# Altium PCB 243-5xx_Pi-CAN-PWM.PcbDoc
Units mm, origin at the board's own origin, x right, y up, seen from the top; angles counter-clockwise.
Board outline 65.2 x 30.4 mm, 2 copper layers (Top Layer, Bottom Layer), stack 1.569 mm thick; 39 components, 39 nets, 184 pads, 61 vias.
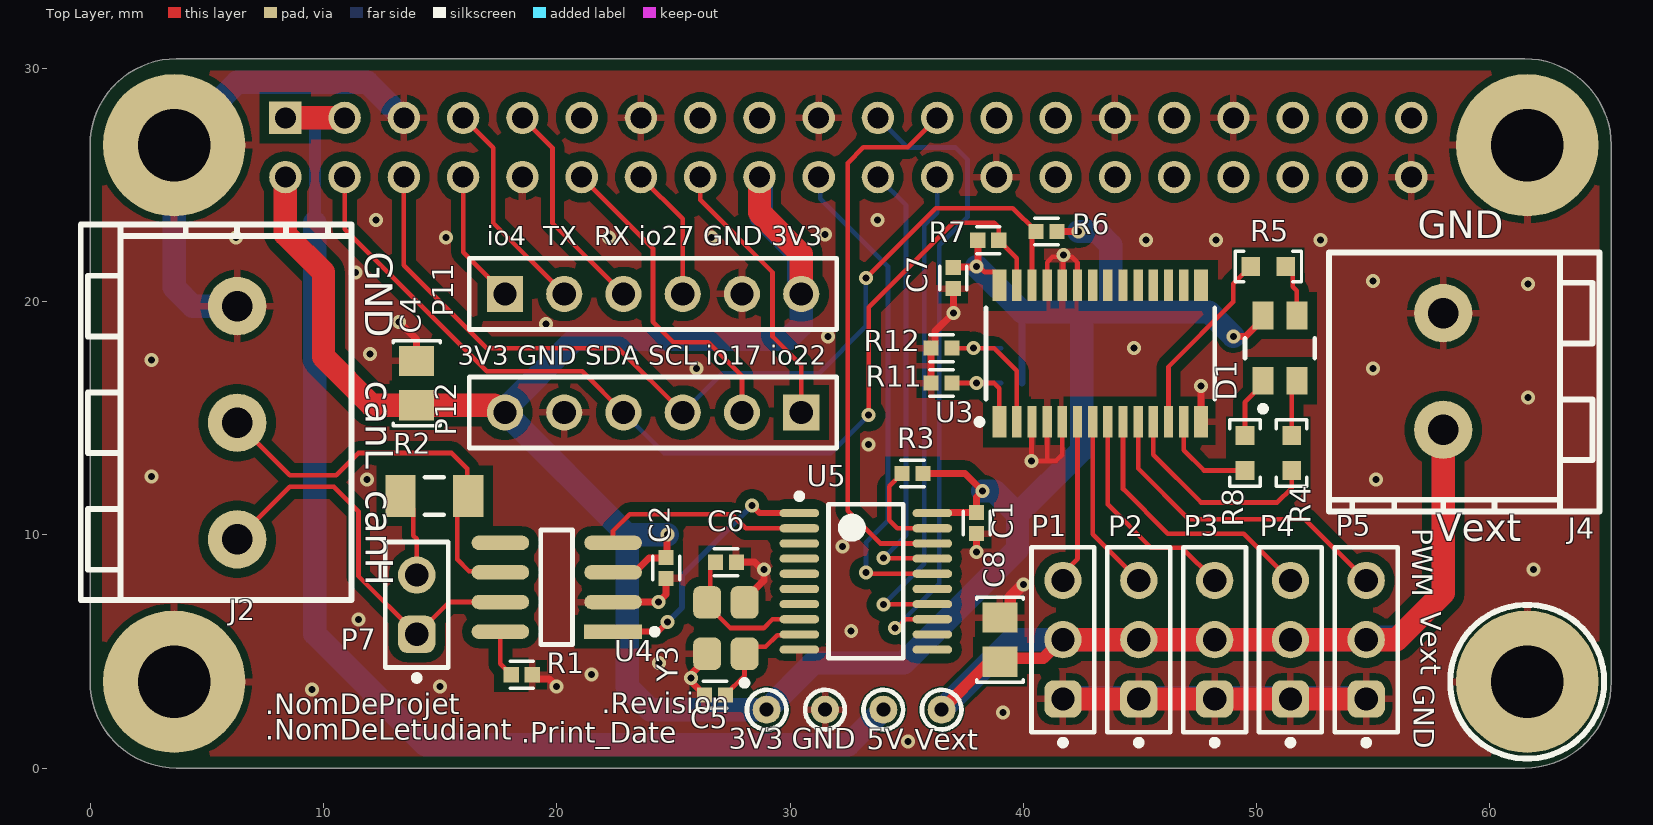
[diagram p0: Top Layer view]
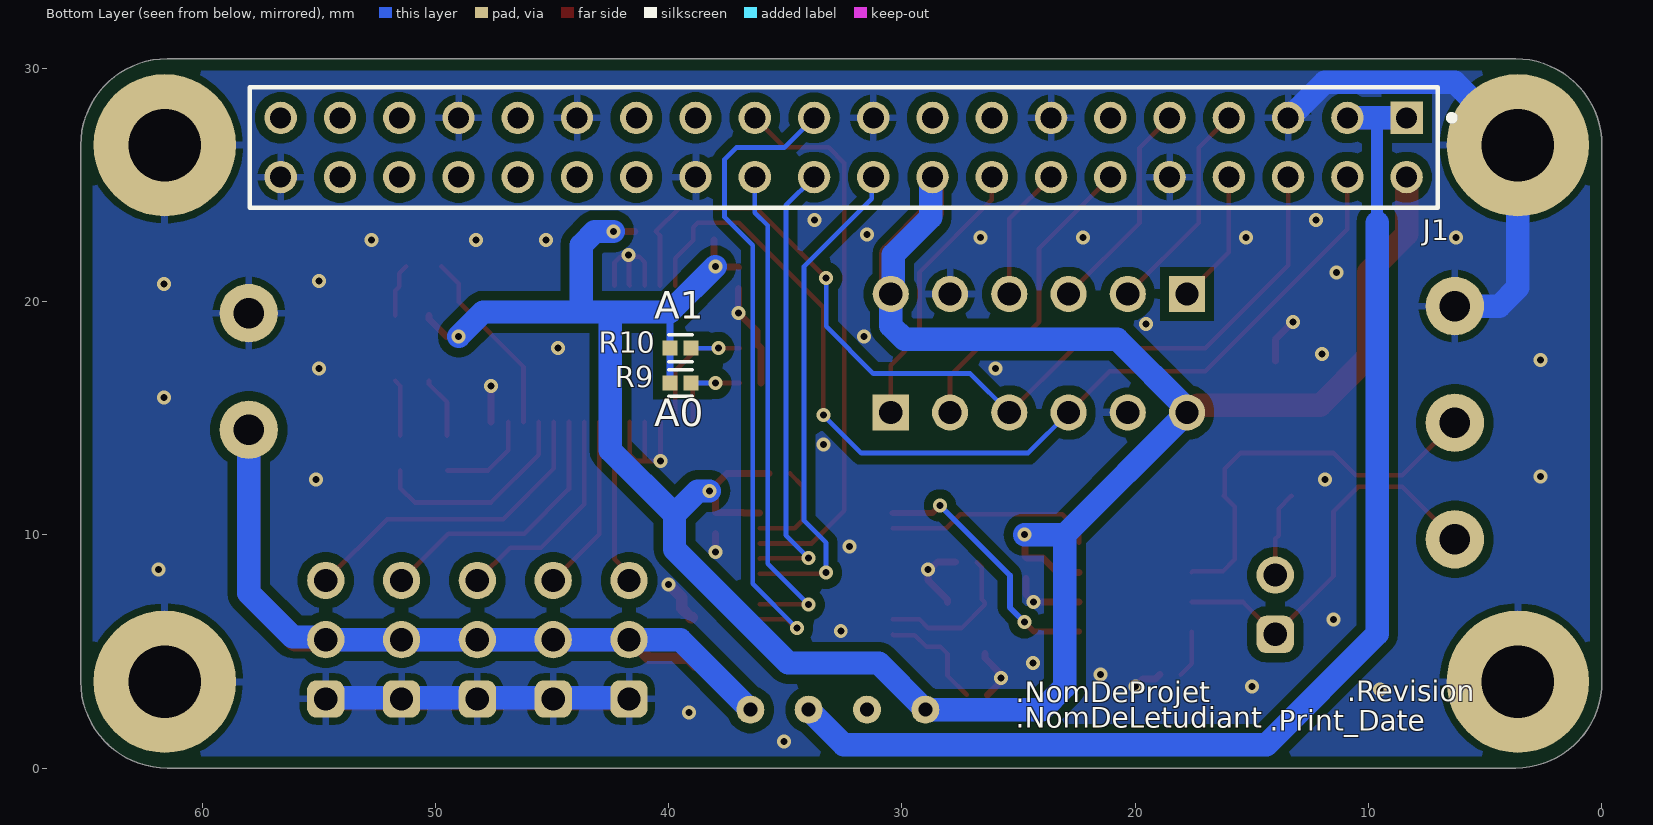
[diagram p1: Bottom Layer view, seen from below]
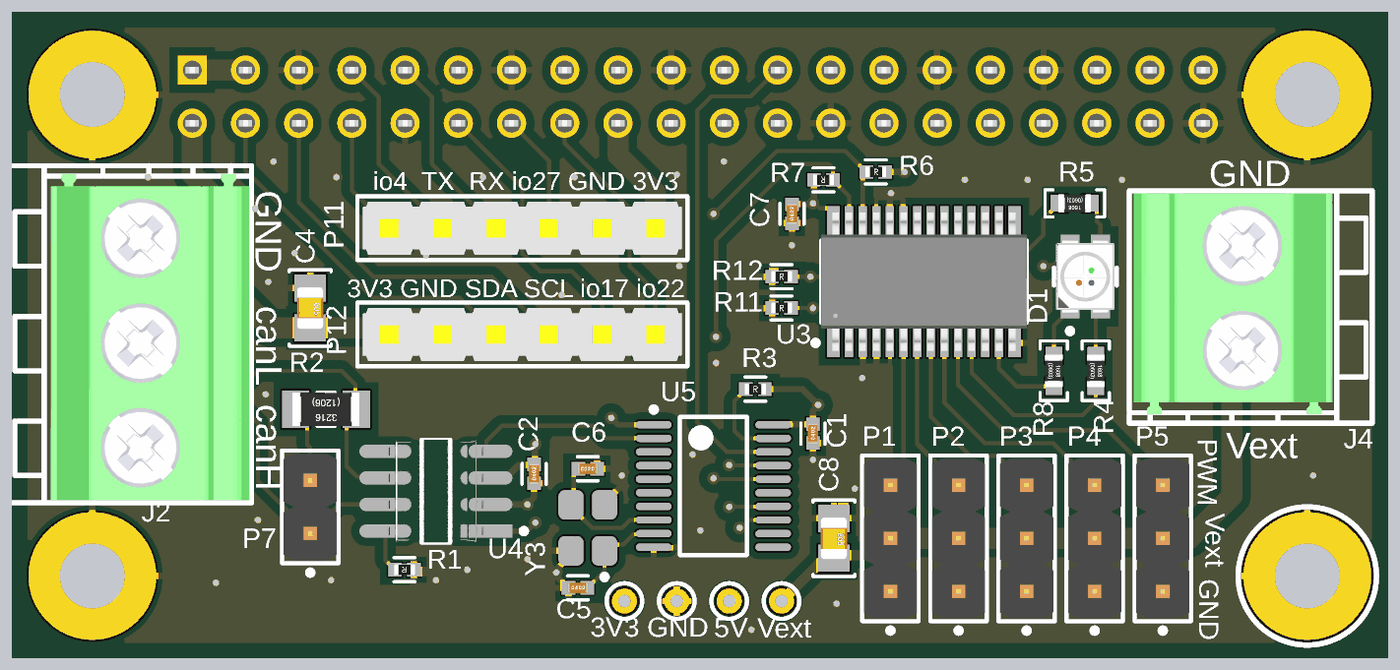
[diagram p2: 3D render of the assembled board from above, using the file's embedded part models]
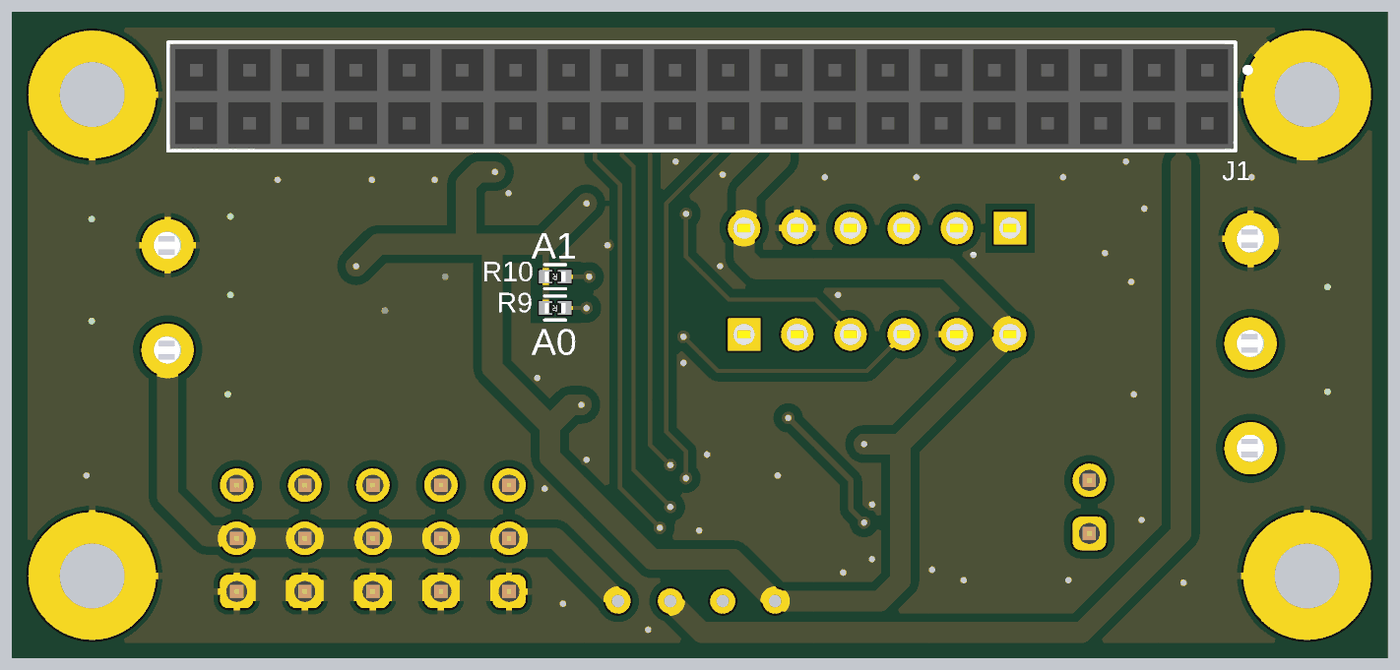
[diagram p3: 3D render of the assembled board from below, using the file's embedded part models]

## Layer stack, top to bottom
Top Solder: solder mask 0.0254, SM-001, Dk 4
Top Layer: signal copper 0.035
Dielectric 1: core 1.4986, Core-043, Dk 4.3
Bottom Layer: signal copper 0.035
Bottom Solder: solder mask 0.0254, SM-001, Dk 4

## Board outline
3.7,0 cw(c3.7,3.7) 0,3.7 0,26.7 cw(c3.7,26.7) 3.7,30.4 61.5,30.4 cw(c61.5,26.7) 65.2,26.7 65.2,3.7 cw(c61.5,3.7) 61.5,0

## Design rules (kind name [scope] priority, off if disabled: settings)
BoardOutlineClearance BoardOutlineClearance_SilkscreenTop [OnLayer('Top Overlay')] p1: gap=0 ignorepadtopadclearanceinfootprint=FALSE
BoardOutlineClearance BoardOutlineClearance_SilkscreenBottom [OnLayer('Bottom Overlay')] p2: gap=0.2 ignorepadtopadclearanceinfootprint=FALSE
BoardOutlineClearance [All] p3: gap=0.5 ignorepadtopadclearanceinfootprint=FALSE
Clearance Clearance_POLY [inpoly] p1: gap=0.4 ignorepadtopadclearanceinfootprint=FALSE
Clearance [All] p2: gap=0.2 ignorepadtopadclearanceinfootprint=FALSE
ComponentClearance [All] p1: gap=0.1 collisioncheckmode=3 verticalgap=0.254 showdistances=FALSE
DiffPairsRouting [All] p1: maxlimit=0.3 minlimit=0.2 mostfreqgap=0.2 toplayer_minwidth=0.2 toplayer_maxwidth=0.3 toplayer_prefwidth=0.2 bottomlayer_minwidth=0.2 bottomlayer_maxwidth=0.3 bottomlayer_prefwidth=0.2 maxuncoupledlength=50
HoleSize [All] p1: absolutevalues=TRUE maxlimit=4 minlimit=0.3 maxpercent=80.000 minpercent=20.000
HoleToHoleClearance [All] p1: gap=0.3 allowstackedmicrovias=TRUE
MinimumAnnularRing [All] p1: minimumring=0.125
MinimumSolderMaskSliver [All] p1: minsoldermaskwidth=0.075
PolygonConnect [All] p1: thpad.connectstyle=Relief thpad.reliefconductorwidth=0.3 thpad.reliefentries=4 thpad.polygonreliefangle="90 Angle" thpad.airgapwidth=0.3 smdpad.connectstyle=Relief smdpad.reliefconductorwidth=0.3 smdpad.reliefentries=4 smdpad.polygonreliefangle="90 Angle" smdpad.airgapwidth=0.3 via.connectstyle=Direct via.reliefconductorwidth=0.254 via.reliefentries=4 via.polygonreliefangle="90 Angle" via.airgapwidth=0.254
RoutingVias [All] p1: holewidth=0.3 width=0.8 viastyle="Through Hole" minholewidth=0.3 minwidth=0.6 maxholewidth=0.8 maxwidth=1.2
SilkToSilkClearance [All] p1: silktosilkclearance=0
SilkToSolderMaskClearance [IsPad] p1: minsilkscreentomaskgap=0 clearancetoexposedcopper=TRUE
SolderMaskExpansion [All] p1: expansion=0.1 istentingtop=FALSE
SupplyNets "Schematic Supply Nets_1" [InNet('GND')] p1: voltage=0.000
SupplyNets "Schematic Supply Nets_5" [InNet('V_EXT')] p2: voltage=0.000
SupplyNets "Schematic Supply Nets_2" [InNet('V_5V')] p3: voltage=0.000
SupplyNets "Schematic Supply Nets" [InNet('V_3V3')] p4: voltage=0.000
Width [All] p1: maxlimit=5 minlimit=0.2 preferedwidth=0.25
23 further rules are at their usual default settings.

## Classes and differential pairs
component class U_PMOD-T3-T6: P11 P12
component class U_Pi5-Interface: 3V3 C4 GND J1
component class U_Ctrl-CAN: C1 C2 C5 C6 J2 P7 R1 R2 R3 U4 U5 Y3
component class U_Ctrl-PWM: 5V C7 C8 D1 J4 P1 P2 P3 P4 P5 R4 R5 R6 R7 R8 R9 R10 R11 R12 U3 Vext
differential pair CAN: +CAN_P -CAN_N

## Components (designator, comment, footprint, x,y, rotation, side; value= is the part's Value field where it differs from the comment)
3V3 "DNP" TP_TH061 29,2.5 r0 top
5V "DNP" TP_TH061 34,2.5 r0 top
C1 "CAP CER 100nF 50V 0402" C_1005[0402] 38,10.5 r90 top value=100nF
C2 "CAP CER 100nF 50V 0402" C_1005[0402] 24.691,8.577 r90 top value=100nF
C4 "CAP CER 10uF 10V X7R 0805" C_2012[0805] 14,16.5 r270 top value=10uF
C5 "CAP CER 22pF 50V COG 0402" C_1005[0402] 26.779,3.134 r0 top value=22pF
C6 "CAP CER 22pF 50V COG 0402" C_1005[0402] 27.25,8.823 r180 top value=22pF
C7 "CAP CER 100nF 50V 0402" C_1005[0402] 37,21 r90 top value=100nF
C8 "CAP CER 10uF 10V X7R 0805" C_2012[0805] 39,5.5 r270 top value=10uF
D1 "AAA3528LSEEZGKQBKS" FP-AAA3528LSEEZGKQBKS-MFG 51,18 r270 top
GND "DNP" TP_TH061 31.5,2.5 r0 top
J1 "7-534206-0" CONN_Receptacle_2x20pos_100mil 32.5,26.6 r0 bottom locked
J2 "ZX-DG28V-5.0-3P" CONN_TERM_BLOCK_3POS_5mm_Model1 6.3,14.8 r90 top locked
J4 "ZX-DG28V-5.0-2P" CONN_TERM_BLOCK_2POS_5mm_Model1 58,17 r270 top
P1 "ZX-PZ2.54-1-3PZZ" CONN_HDR_3POS_100MILS_TH 41.7,5.5 r90 top
P2 "ZX-PZ2.54-1-3PZZ" CONN_HDR_3POS_100MILS_TH 44.95,5.5 r90 top
P3 "ZX-PZ2.54-1-3PZZ" CONN_HDR_3POS_100MILS_TH 48.2,5.5 r90 top
P4 "ZX-PZ2.54-1-3PZZ" CONN_HDR_3POS_100MILS_TH 51.45,5.5 r90 top
P5 "ZX-PZ2.54-1-3PZZ" CONN_HDR_3POS_100MILS_TH 54.7,5.5 r90 top
P7 "61300211121" CONN_HDR_2POS_100MILS_TH 14,7 r90 top
P11 "ZX-PM2.54-1-6PY" CONN_SKT_01X06_100MIL 24.13,20.32 r0 top
P12 "ZX-PM2.54-1-6PY" CONN_SKT_01X06_100MIL 24.13,15.24 r180 top
R1 "Res 1k 1% 0402" R_1005[0402] 18.5,4 r180 top value=1k
R2 "Res 120R 1% 1206" R_3216[1206] 14.757,11.663 r180 top value=120R
R3 "Res 1k 1% 0402" R_1005[0402] 35.25,12.625 r0 top value=1k
R4 "Res 100R 1% 0603" R_1608[0603] 51.5,13.5 r270 top value=100R
R5 "Res 100R 1% 0603" R_1608[0603] 50.5,21.5 r180 top value=100R
R6 "Res 10k 1% 0402" R_1005[0402] 41,23 r0 top value=10k
R7 "Res 10k 1% 0402" R_1005[0402] 38.5,22.625 r180 top value=10k
R8 "Res 100R 1% 0603" R_1608[0603] 49.5,13.5 r270 top value=100R
R9 "DNP" R_1005[0402] 39.5,16.5 r0 bottom value=0R
R10 "DNP" R_1005[0402] 39.5,18 r0 bottom value=0R
R11 "Res 10k 1% 0402" R_1005[0402] 36.5,16.5 r0 top value=10k
R12 "Res 10k 1% 0402" R_1005[0402] 36.5,18 r0 top value=10k
U3 "PCA9685PW" TSSOP28_SOT361-1_V 43.3,17.76 r90 top
U4 "SN65HVD230DR" FP-D0008A-IPC_A 20,7.75 r180 top
U5 "MCP2515-I/ST" TSSOP-ST20_N 33.25,8 r0 top
Vext "DNP" TP_TH061 36.5,2.5 r90 top
Y3 "XC32M4-8.000-F18LJDT" Y_32x25SMD4 27.25,6 r90 top value=8MHz

## Footprints (in the part's own frame and the unit in brackets; to place one, negate y for a bottom-side part, rotate by r counter-clockwise, add the part's x,y. Pads: shape width x height; smd on the part's side, far side on the other; paste and mask are expansions set on the pad)
C_1005[0402] [mm] "Capacitor MLCC; Body 1.1 x 0.5 mm (LxW typ)"
  rect 0.65x0.65 smd mask+0.075: 1(-0.45,0) 2(0.45,0)
  silkscreen extent -0.5,-0.57 0.5,0.58, body extent -0.51,-0.25 0.51,0.25, height 0.51
C_2012[0805] [mm] "Capacitor MLCC; Body 2.0 x 1.3 mm (LxW typ)"
  rect 1.3x1.5 smd: 1(-0.95,0) 2(0.95,0)
  silkscreen extent -1.83,-1 1.83,1, body extent -1,-0.62 1,0.63, height 0.78
CONN_HDR_2POS_100MILS_TH [mm] "Pin Header, pitch 2.54 mm, THT, Vertical, single row, 2p"
  rrect50% 1.6x1.6 hole 1: 1(-1.27,0)
  round 1.6 hole 1: 2(1.27,0)
  silkscreen extent -3.26,-1.35 2.69,1.35, body extent -2.54,-1.27 2.54,1.27, height 8.57
CONN_HDR_3POS_100MILS_TH [mm] "Pin Header, pitch 2.54 mm, THT, Vertical, single row, 3p"
  rrect50% 1.6x1.6 hole 1: 1(-2.54,0)
  round 1.6 hole 1: 2(0,0) 3(2.54,0)
  silkscreen extent -4.53,-1.35 3.96,1.35, body extent -3.81,-1.27 3.81,1.27, height 8.57
CONN_Receptacle_2x20pos_100mil [mm] "Connector Receptacle 2 rows  TH"
  rect 1.39x1.39 hole 0.9 paste-2539.97 mask+0: 1(-24.13,-1.27)
  round 1.39 hole 0.9 paste-2539.97 mask+0: 2(-24.13,1.27) 3(-21.59,-1.27) 4(-21.59,1.27) 5(-19.05,-1.27) 6(-19.05,1.27) 7(-16.51,-1.27) 8(-16.51,1.27) 9(-13.97,-1.27) 10(-13.97,1.27) 11(-11.43,-1.27) 12(-11.43,1.27) 13(-8.89,-1.27) 14(-8.89,1.27) 15(-6.35,-1.27) 16(-6.35,1.27) 17(-3.81,-1.27) 18(-3.81,1.27) 19(-1.27,-1.27) 20(-1.27,1.27) 21(1.27,-1.27) 22(1.27,1.27) 23(3.81,-1.27) 24(3.81,1.27) 25(6.35,-1.27) 26(6.35,1.27) 27(8.89,-1.27) 28(8.89,1.27) 29(11.43,-1.27) 30(11.43,1.27) 31(13.97,-1.27) 32(13.97,1.27) 33(16.51,-1.27) 34(16.51,1.27) 35(19.05,-1.27) 36(19.05,1.27) 37(21.59,-1.27) 38(21.59,1.27) 39(24.13,-1.27) 40(24.13,1.27)
  silkscreen extent -26.19,-2.58 25.47,2.58, body extent -25.4,-2.52 25.4,2.52, height 8.64
CONN_SKT_01X06_100MIL [mm] "SQ Post Socket, 1x6 Pins, Vertical, 2.54mm Pitch, Female"
  rect 1.55x1.55 hole 1: 1(-6.35,0)
  round 1.55 hole 1: 2(-3.81,0) 3(-1.27,0) 4(1.27,0) 5(3.81,0) 6(6.35,0)
  silkscreen extent -7.87,-1.52 7.88,1.52, body extent -7.62,-1.27 7.62,1.27, height 4.57
CONN_TERM_BLOCK_2POS_5mm_Model1 [mm] "Terminal Block 2 positions Throught hole"
  round 2.5 hole 1.3: 1(-2.5,0) 2(2.5,0)
  silkscreen extent -5.1,-4.9 6,6.7, body extent -4.98,-4.7 5.59,4.8, height 15.1
CONN_TERM_BLOCK_3POS_5mm_Model1 [mm] "Terminal Block 3 positions Throught hole"
  round 2.5 hole 1.3: 1(-5,0) 2(0,0) 3(5,0)
  silkscreen extent -7.6,-4.9 8.5,6.7, body extent -7.49,-4.8 8.08,4.7, height 15.1
FP-AAA3528LSEEZGKQBKS-MFG [mm]
  rect 1.2x0.9 smd paste+0 mask+0: 1(1.4,-0.725) 2(-1.4,-0.725) 3(-1.4,0.725) 4(1.4,0.725)
  silkscreen extent -0.43,-1.5 2.72,1.5, body extent -2.1,-1.6 2.1,1.6, height 0.25
FP-D0008A-IPC_A [mm]
  rect 2.469x0.622 smd paste+0 mask+0: 1(-2.414,1.905)
  rrect100% 2.469x0.622 smd paste+0 mask+0: 2(-2.414,0.635) 3(-2.414,-0.635) 4(-2.414,-1.905) 5(2.414,-1.905) 6(2.414,-0.635) 7(2.414,0.635) 8(2.414,1.905)
  silkscreen extent -4.32,-2.45 0.68,2.45, body extent -4.15,-2.95 4.15,2.95, height 0.25
R_1005[0402] [mm] "Chip Resistor; Body 1.1 x 0.5 mm (LxW typ)"
  rect 0.65x0.65 smd mask+0.075: 1(-0.45,0) 2(0.45,0)
  silkscreen extent -0.5,-0.57 0.5,0.58, body extent -0.5,-0.25 0.5,0.26, height 0.36
R_1608[0603] [mm] "Chip Resistor; Body 1.6 x 0.8 mm (LxW typ)"
  rect 0.8x0.8 smd: 1(-0.75,0) 2(0.75,0)
  silkscreen extent -1.43,-0.65 1.43,0.65, body extent -0.77,-0.42 0.78,0.43, height 0.45
R_3216[1206] [mm] "Chip Resistor, Body 3.2x1.6mm, IPC Medium Density"
  rect 1.3x1.8 smd: 1(-1.45,0) 2(1.45,0)
  silkscreen extent -0.4,-0.8 0.4,0.8, body extent -1.6,-0.8 1.6,0.8, height 0.55
TP_TH061 [mm] "Test point hole 0.61mm diameter (AWG28)"
  round 1.2 hole 0.6: 1(0,0)
  silkscreen extent -0.85,-0.85 0.85,0.85
TSSOP28_SOT361-1_V [mm] "SOP, 28-Leads, Body 9.7x4.4mm, Pitch 0.65mm, NXP Recommended"
  rect 1.35x0.6 smd: 1(-2.925,4.325) 14(-2.925,-4.325) 15(2.925,-4.325) 28(2.925,4.325)
  rect 1.35x0.4 smd: 2(-2.925,3.575) 3(-2.925,2.925) 4(-2.925,2.275) 5(-2.925,1.625) 6(-2.925,0.975) 7(-2.925,0.325) 8(-2.925,-0.325) 9(-2.925,-0.975) 10(-2.925,-1.625) 11(-2.925,-2.275) 12(-2.925,-2.925) 13(-2.925,-3.575) 16(2.925,-3.575) 17(2.925,-2.925) 18(2.925,-2.275) 19(2.925,-1.625) 20(2.925,-0.975) 21(2.925,-0.325) 22(2.925,0.325) 23(2.925,0.975) 24(2.925,1.625) 25(2.925,2.275) 26(2.925,2.925) 27(2.925,3.575)
  silkscreen extent -3.05,-4.9 1.96,5.3, body extent -3.3,-4.9 3.3,4.9, height 1.09
TSSOP-ST20_N [mm] "TSOP, 20-Leads, Body 6.5x4.4mm, Pitch 0.65mm, IPC Medium Density"
  oval 1.7x0.35 smd: 1(-2.85,2.925) 2(-2.85,2.275) 3(-2.85,1.625) 4(-2.85,0.975) 5(-2.85,0.325) 6(-2.85,-0.325) 7(-2.85,-0.975) 8(-2.85,-1.625) 9(-2.85,-2.275) 10(-2.85,-2.925) 11(2.85,-2.925) 12(2.85,-2.275) 13(2.85,-1.625) 14(2.85,-0.975) 15(2.85,-0.325) 16(2.85,0.325) 17(2.85,0.975) 18(2.85,1.625) 19(2.85,2.275) 20(2.85,2.925)
  silkscreen extent -2.97,-3.3 1.6,3.77, body extent -2.25,-3.3 2.25,3.3, height 1.2
Y_32x25SMD4 [mm] "XTAL, 4-Leads, Body 3.2x2.5 mm"
  rrect50% 1.4x1.2 smd: 1(-1.1,-0.8) 2(1.1,-0.8) 3(1.1,0.8) 4(-1.1,0.8)
  silkscreen extent -2.47,-0.93 -2.23,-0.68, body extent -1.6,-1.25 1.6,1.25, height 0.9

## Part data
3V3 5V GND Vext: library part TP_TH0.61mm(AWG28), "Pad TH 0.61mm diameter (AWG28)", Supplier Part Number 1=N/A, Manufacturer Part Number 1=DNP, Supplier 1=N/A
C1 C2 C7: library part CAP001, "Capacitor type 1", Dielectric=X7R, Manufacturer 1=Yageo, Manufacturer Part Number 1=CC0402KRX7R9BB104, Rated voltage=50V, Supplier Part Number 1=C131394, Tolerance=10%, Code CEGEP=KCOND01SM, LibRef=CAP001, Mounting Technology=SMT, Supplier 1=LCSC
C4 C8: library part CAP004, "Capacitor type 1", Dielectric=X7R, Manufacturer 1=muRata, Manufacturer Part Number 1=GRM21BR71A106KE51L, Rated voltage=10V, Supplier Part Number 1=C86038, Tolerance=10%, Code CEGEP=KCOND03SM, LibRef=CAP004, Mounting Technology=SMT, Supplier 1=LCSC
C5 C6: library part CAP010, "Capacitor type 1", Dielectric=C0G, Manufacturer 1=Yageo, Manufacturer Part Number 1=CC0402JRNPO9BN220, Rated voltage=50V, Supplier Part Number 1=C106203, Tolerance=5%, LibRef=CAP010, Mounting Technology=SMT, Supplier 1=LCSC
D1: library part CMP-44529-000043-1, "LED RGB CLEAR 4SMD", Case/Package=PLCC, Color=Blue, Forward Voltage=2.7V, Lens Color=Colorless, Test Current=2mA, Dominant Wavelength=465nm, Height=2.1mm, Length=3.2mm, Lens Transparency=Clear, Luminous Intensity=30mcd, Mount="Surface Mount", Number of Pins=4, Packaging="Tape and Reel", Viewing Angle=120°, Width=2.8mm
J1: library part CONN-100MIL-SKT-02X20, "CONN SOCKET 2x20POS 2.54mm", Manufacturer 1=Megastar, Manufacturer 2=Sullins, Manufacturer 3="TE Connectivity", Manufacturer Part Number 1=ZX-PM2.54-2-20PY, Manufacturer Part Number 2=PPTC202LFBN-RC, Supplier Part Number 1=C7499354, Code CEGEP=CON40, Manufacturer Part Number 3=7-534206-0, Mounting Technology=TH, Supplier 1=LCSC, Supplier 2=Digikey, Supplier 3=S6104-ND
J2: library part CONN-5MM-3POS-TERM-BLOCK, "CONN TERM BLOCK 3POS 5mm pitch", Manufacturer 1=Megastar, Manufacturer 2="Weco - Phoenix Contact", Manufacturer Part Number 2="950-DS/03 - 1890976", Code CEGEP="CONWECO0003 / KCONWECO0030", Localisation="/ R13-E102", Manufacturer Part Number 1=ZX-DG28V-5.0-3P, Mounting Technology=TH, Supplier 1=LCSC, Supplier Part Number 1=ZX-DG28V-5.0-3P
J4: library part CONN-5MM-2POS-TERM-BLOCK, "CONN TERM BLOCK 2POS 5mm pitch", Manufacturer 1=Megastar, Manufacturer 2="Weidmüller - Phoenix Contact", Manufacturer Part Number 2="1760510000 - 1890963", Supplier Part Number 1=C49022995, Code CEGEP=CONWECO0002, Localisation=R13-B113, Manufacturer Part Number 1=ZX-DG28V-5.0-2P, Mounting Technology=TH, Supplier 1=LCSC
P1 P2 P3 P4 P5: library part CONN-100MIL-HDR-01X03, "CONN HEADER 3pins single row, 100 mils TH", Manufacturer 1=Megastar, Supplier Part Number 1=C7501261, Manufacturer Part Number 1=ZX-PZ2.54-1-3PZZ, Mounting Technology=TH, Supplier 1=LCSC
P7: library part CONN-100MIL-HDR-01X02, "CONN HEADER 2POS 100MIL", Manufacturer 1=Megastar, Manufacturer 2="Würth Elektronik", Manufacturer Part Number 1=ZX-PZ2.54-1-2PZZ, Supplier Part Number 1=C7501260, Manufacturer Part Number 2=61300211121, Mounting Technology=TH, Supplier 1=LCSC
P11 P12: library part CONN-100MIL-SKT-01X06, "CONN SOCKET 6pos 100mils", Manufacturer 1=Megastar, Supplier Part Number 1=C7499326, Manufacturer Part Number 1=ZX-PM2.54-1-6PY, Mounting Technology=TH, Supplier 1=LCSC
R1 R3: library part RES006, "Resistor type 1", Manufacturer 1=Yageo, Manufacturer Part Number 1=RC0402FR-071kL, Max Working Voltage=50V, Supplier Part Number 1=C106235, Tolerance=1%, Code CEGEP=RES1KSM, LibRef=RES006, Mounting Technology=SMT, Puissance=1/16W, Supplier 1=LCSC
R2: library part RES014, "Resistor type 1", Manufacturer 1=Yageo, Manufacturer Part Number 1=RC1206FR-07120RL, Max Working Voltage=200V, Supplier Part Number 1=C114928, Tolerance=1%, Code CEGEP=RESI0043SMT, LibRef=RES014, Mounting Technology=SMT, Puissance=1/4W, Supplier 1=LCSC, Supplier 2=Digikey, Supplier Part Number 2=P120ECT-ND
R4 R5 R8: library part RES029, "Resistor type 1", Manufacturer 1=Yageo, Manufacturer Part Number 1=RC0603FR-07100RL, Max Working Voltage=75V, Supplier Part Number 1=C105588, Tolerance=1%, LibRef=RES029, Mounting Technology=SMT, Puissance=1/10W, Supplier 1=LCSC
R6 R7 R11 R12: library part RES003, "Resistor type 1", Manufacturer 1=Yageo, Manufacturer Part Number 1=RC0402FR-0710KL, Max Working Voltage=50V, Supplier Part Number 1=C60490, Tolerance=1%, LibRef=RES003, Mounting Technology=SMT, Puissance=1/16W, Supplier 1=LCSC
R9 R10: library part RES005, "Resistor type 1", Manufacturer 1=Yageo, Manufacturer Part Number 1=RC0402JR-070RL, Max Working Voltage=50V, Supplier Part Number 1=C60485, Code CEGEP=RES0SM, LibRef=RES005, Mounting Technology=SMT, Supplier 1=LCSC
U3: library part U_PCA9685PW, "16-Channel, 12-Bit PWM I2C-Bus LED Controller, 28-Pin TSSOP (SOT361-1)", Manufacturer 1=NXP, Manufacturer Part Number 1=PCA9685PW,112, Supplier Part Number 1=568-8366-5-ND, Mount=SMT, Supplier 1=Digi-Key
U4: library part CMP-0315-00015-3, "IC TRANSCEIVER HALF 1/1 8SOIC", Case/Package=D, Max Operating Temperature=85°C, Max Supply Current=17mA, Max Supply Voltage=3.6V, Min Operating Temperature=-40°C, Min Supply Voltage=3V, Operating Supply Voltage=3.3V, Package Quantity=1, Contact Plating=Gold, Data Rate=1Mbps, Lead Free="Lead Free", Nominal Supply Current=17mA, Number of Drivers=1, Number of I/Os=2, Number of Pins=8, Number of Receive Buffers=1, Number of Receivers=1, Number of Transceivers=1, Number of Transmit Buffers=1, Packaging="Tape and Reel", Radiation Hardening=No, REACH SVHC="No SVHC", Termination=SMD/SMT, Weight=0.002561oz
U5: library part CMP-0186-00077-2, "Stand-Alone CAN Controller With SPI Interface, 20-Pin TSSOP, Industrial Temperature", Code_JEDEC=MO-153-AC, ComponentLink1Description="Manufacturer URL", ComponentLink1URL=http://www.microchip.com/, ComponentLink2Description=Datasheet, ComponentLink2URL=http://ww1.microchip.com/downloads/en/DeviceDoc/21801f.pdf, ComponentLink3Description="Package Specification", ComponentLink3URL=http://www.microchip.com/stellent/groups/techpub_sg/documents/packagingspec/en012702.pdf, DatasheetVersion="revF, Oct-2010", PackageDescription="20-Lead Plastic Thin Shrink Small Outline (ST) - 4.4mm Body [TSSOP]", PackageReference=TSSOP-ST20, PackageVersion="revBB, Aug-2009", RevisionNote="URLs added. DatasheetVersion updated."
Y3: library part Y_XTAL25MHz, "Crystal, 8MHz, 3.2 x 2.5 x 0.9 mm SMD", Manufacturer 1=HCI, Supplier Part Number 1=C2905353, Part Number 1=XC32M4-8.000-F18LJDT, Supplier 1=LCSC, Technology=SMT

## Free pads (board coordinates)
  round 6.1 hole 3.1: MH1(3.6,26.7) MH2(61.6,26.7) MH3(61.6,3.7) MH4(3.6,3.7)

## Via types
v1: diameter 0.6, hole 0.3, Top Layer to Bottom Layer, tented both sides, 61 vias

## Nets (pads, with @x,y where several pads share a name; then routed paths per layer and width w, separated by ;. In a path a pad name is that pad's centre, name@x,y a point inside that pad or via, vN(x,y) a via of type N, cw(c..) or ccw(c..) an arc to the next point about the centre after c; other vN are vias at no path point)
CAN_INT: J1.21 U5.13 | length 27.7
  Top Layer w0.2: v1(34.5,6) 34.575,6 34.95,6.375 U5.13
  Bottom Layer w0.2: J1.21 35.043,26.597 37.103,26.597 37.607,26.093 37.607,23.607 36.399,22.399 36.399,7.899 v1(34.5,6)
CAN_N: J2.2 R2.1 U4.6 | length 17.7
  Top Layer w0.2: J2.2 8.55,12.55 10.55,12.55 11.5,13.5 15.5,13.5 16.163,12.837 16.163,11.707 R2.1 15.737,11.193 15.737,8.941 16.24,8.438 17.533,8.438 U4.6
CAN_P: J2.1 P7.1 U4.7 | length 17
  Top Layer w0.2: J2.1 8.55,12.05 10.45,12.05 11.5,11 11.5,8.23 P7.1 15.385,7.115 U4.7
CAN_RXD: U4.4 U5.2 | length 9
  Top Layer w0.2: U4.4 22.414,10.164 23.125,10.875 27.5,10.875 28.1,10.275 U5.2
CAN_TXD: U4.1 U5.1 | length 11.2
  Top Layer w0.25: U4.1 24.345,5.845 v1(24.75,6.25) ; v1(28.375,11.25) 28.7,10.925 U5.1
  Bottom Layer w0.25: v1(24.75,6.25) 25.375,6.875 25.375,8.25 v1(28.375,11.25)
GND: C1.1 C2.1 C4.1 C5.1 C6.1 C7.1 C8.1 GND.1 J1.5 J1.10 J1.13 J1.19 J1.26 J1.29 J1.33 J1.40 J2.3 J4.1 P1.1 P2.1 P3.1 P4.1 P5.1 P11.5 P12.5 pad.MH1 pad.MH2 pad.MH3 pad.MH4 R1.1 R11.1 R12.1 U3.3 U3.4 U3.5 U3.14 U3.23 U3.24 U3.25 U4.2 U5.10 Y3.2 Y3.4 | length 78.2
  Top Layer w0.2: U3.3 40.354,14.814 v1(40.354,13.16) 40.975,13.16 ; U3.4 41.025,13.21 40.975,13.16 ; U3.25 41.025,21.685 41.252,21.912 41.649,21.912 v1(41.726,21.989) 41.802,21.912 42.069,21.912 42.325,21.657 U3.23 ; U3.5 41.675,13.435 41.4,13.16 40.975,13.16 ; U3.24 41.7,20.71 41.7,21.963 v1@41.722,21.985
  Top Layer w0.3: v1(13.25,19.125) 14,18.375 C4.1 ; R1.1 19.125,3.825 19.675,3.825 v1(20,3.5) ; U4.2 v1(24.365,7.115) 24.691,7.441 C2.1 ; C5.1 25.75,3.713 25.75,4.019 26.45,4.719 Y3.4 ; C6.1 28.475,8.823 28.798,8.5 v1(28.875,8.5) 28.875,8.036 28.05,7.211 Y3.2 ; R11.1 R12.1 36.225,18.175 36.225,18.725 v1(37,19.5) C7.1 ; v1(38,9.25) C1.1 ; U3.14 v1(47.625,16.375)
  Top Layer w0.5: C8.1 39.045,6.45 39.445,6.85 39.445,7.32 v1(40,7.875)
  Top Layer w1: P1.1 P2.1 P3.1 P4.1 P5.1
  Bottom Layer w1: J2.3@6.325,19.825 J2.3 4.4,19.8 3.6,20.6 pad.MH1 6.3,29.4 11.876,29.4 13.406,27.87 J1.5 ; P1.1 41.745,3.005 P5.1@54.7,3.005
  other v1: 35.06,1.13 39.125,2.375 9.5,3.375 15,3.5 25.75,3.866 21.5,4 24.375,4.5 32.625,5.875 11.5,6.375 61.875,8.5 32.25,9.5 11.875,12.375 55.125,12.375 2.625,12.5 33.375,13.875 61.625,15.875 26,17.125 55,17.125 2.625,17.5 12,17.75 44.75,18 31.625,18.5 19.533,19.028 61.625,20.75 55,20.875 11.375,21.25 45.25,22.625 48.25,22.625 52.75,22.625 6.25,22.75 15.25,22.75 22.25,22.75 26.625,22.75 31.5,22.875 12.25,23.5 33.75,23.5
GPIO4: J1.8 P11.1 | length 5.8
  Top Layer w0.2: J1.8 15.99,22.11 P11.1
GPIO17: J1.12 P12.2 | length 13.8
  Top Layer w0.2: J1.12 24.125,22.275 24.125,19.125 25,18.25 26.5,18.25 27.94,16.81 P12.2
GPIO22: J1.16 P12.1 | length 11.9
  Top Layer w0.2: J1.16 26.15,24.35 29.25,21.25 29.25,18.5 30.48,17.27 P12.1
GPIO27: J1.14 P11.4 | length 5.8
  Top Layer w0.2: J1.14 25.4,23.54 P11.4
LED_B: R8.2 U3.13 | length 4.2
  Top Layer w0.2: U3.13 46.875,13.625 47.747,12.753 R8.2@49.497,12.753
LED_G: R5.2 U3.12 | length 8.1
  Top Layer w0.2: U3.12 46.225,17.202 49,19.977 49,20.75 R5.2
LED_R: R4.2 U3.11 | length 9.2
  Top Layer w0.2: U3.11 45.575,13.425 47.616,11.384 50.884,11.384 51.5,12 R4.2
NetC5_2: C5.2 U5.9 Y3.1 | length 4.8
  Top Layer w0.2: C5.2 28.05,3.955 Y3.1 28.35,5.2 28.95,5.2 29.446,5.696 30.371,5.696 U5.9
NetC6_2: C6.2 U5.8 Y3.3 | length 6.5
  Top Layer w0.2: C6.2 26.575,8.598 26.575,7.225 Y3.3 26.45,7 27.45,6 28.875,6 29.25,6.375 U5.8
NetD1_1: D1.1 R8.1 | length 2.7
  Top Layer w0.2: R8.1 49.5,15.675 50.275,16.45 D1.1
NetD1_3: D1.3 R5.1 | length 2.3
  Top Layer w0.2: R5.1 51.55,21.2 51.55,20.637 51.725,20.462 D1.3
NetD1_4: D1.4 R4.1 | length 2.4
  Top Layer w0.2: R4.1 51.5,16.375 D1.4
NetP7_2: P7.2 R2.2 | length 3.7
  Top Layer w0.2: R2.2 13.857,11.113 13.857,9.961 14,9.818 P7.2
NetR1_2: R1.2 U4.8 | length 2
  Top Layer w0.2: U4.8 17.586,4.464 R1.2
NetR3_1: R3.1 U5.19 | length 4.2
  Top Layer w0.2: R3.1 34.25,12.075 34.25,10.625 34.6,10.275 U5.19
NetR9_1: R9.1 R11.2 U3.1 | length 4.6
  Top Layer w0.2: R11.2 v1(38,16.5) 38.75,16.5 38.975,16.275 U3.1
  Bottom Layer w0.2: v1(38,16.5) R9.1
NetR10_1: R10.1 R12.2 U3.2 | length 6.5
  Top Layer w0.2: R12.2 v1(37.875,18) 38.75,18 39.725,17.025 U3.2
  Bottom Layer w0.2: v1(37.875,18) R10.1
PWM1: P1.3 U3.6 | length 7.1
  Top Layer w0.2: P1.3 41.7,8.346 42.325,8.971 U3.6
PWM2: P2.3 U3.7 | length 7.6
  Top Layer w0.2: U3.7 42.975,10.015 P2.3
PWM3: P3.3 U3.8 | length 9.5
  Top Layer w0.2: U3.8 43.625,11.297 45.475,9.448 46.792,9.448 P3.3
PWM4: P4.3 U3.9 | length 11.7
  Top Layer w0.2: U3.9 44.275,11.963 46.201,10.037 49.453,10.037 P4.3
PWM5: P5.3 U3.10 | length 13.8
  Top Layer w0.2: U3.10 44.925,12.839 47.095,10.668 52.072,10.668 P5.3
RX: J1.9 P11.3 | length 9.3
  Top Layer w0.2: J1.9 19.818,26.582 19.818,23.362 P11.3
SCL: J1.6 P12.3 R6.1 U3.26 | length 41.1
  Top Layer w0.2: J1.6 13.45,21.55 17,18 22.64,18 P12.3 ; v1(33.25,21) 36.25,24 39.55,24 R6.1 40.375,22.825 U3.26
  Bottom Layer w0.2: P12.3 27.069,16.909 31.224,16.909 33.25,18.935 v1(33.25,21)
SDA: J1.4 P12.4 R7.1 U3.27 | length 43.9
  Top Layer w0.2: J1.4 10.91,23.09 17,17 21.1,17 P12.4 ; v1(33.375,15.125) 33.375,19.75 37,23.375 38.75,23.375 38.95,23.175 R7.1 39.725,21.85 U3.27
  Bottom Layer w0.2: P12.4 24.6,13.5 31.75,13.5 v1(33.375,15.125)
SPI_nCS: J1.23 U5.18 | length 23.8
  Top Layer w0.2: U5.18 33.875,9.625 32.474,11.026 32.474,25.932 33.148,26.605 35.045,26.605 J1.23
SPI_SCK: J1.24 U5.14 | length 21.4
  Top Layer w0.2: v1(34,7) 34.012,7.013 36.087,7.013 U5.14
  Bottom Layer w0.2: v1(34,7) 35.754,8.754 35.754,23.254 36.31,23.81 J1.24
SPI_SI: J1.20 U5.16 | length 21.4
  Top Layer w0.2: v1(33.256,8.371) 33.302,8.325 U5.16
  Bottom Layer w0.2: J1.20 31.294,25.266 31.294,24.406 34.198,21.502 34.198,10.603 33.256,9.66 v1(33.256,8.371)
SPI_SO: J1.22 U5.17 | length 19.3
  Top Layer w0.2: v1(34,9) 34.012,8.988 36.087,8.988 U5.17
  Bottom Layer w0.2: J1.22 34.975,24.125 34.975,9.975 v1(34,9)
TX: J1.7 P11.2 | length 9.3
  Top Layer w0.2: J1.7 17.278,26.582 17.278,23.362 P11.2
V_3V3: 3V3.1 C1.2 C2.2 C4.2 C7.2 D1.2 J1.2 J1.18 P11.6 P12.6 R3.2 R6.2 R7.2 R9.2 R10.2 U3.28 U4.3 U5.20 | length 128.7
  Top Layer w0.2: v1(38,21.5) 38.108,21.5 38.348,21.26 38.775,21.26 38.975,21.06 U3.28
  Top Layer w0.3: U4.3 23.337,8.385 23.952,9 24.664,9 C2.2 24.72,9.056 24.72,9.97 v1(24.75,10) ; R3.2 37.5,12.625 v1(38.25,11.875) 38,11.625 C1.2 36.814,10.95 36.789,10.925 U5.20 ; C7.2 37.025,21.475 37.975,21.475 v1(38,21.5) 38.05,21.55 R7.2 ; R6.2 v1(42.375,23) ; v1(49,18.5) 49.525,18.5 50.275,19.25 D1.2
  Top Layer w1: J1.2 8.37,22.88 10,21.25 10,17.625 12.075,15.55 C4.2 17.321,15.55 17.631,15.24 P12.6 ; J1.18 28.69,23.81 30.48,22.02 P11.6
  Bottom Layer w0.3: R9.2 R10.2 39.95,19.55
  Bottom Layer w1: v1(24.75,10) 23.02,10 ; J1.18 28.765,25.255 28.765,23.61 30.375,22 30.375,20.425 P11.6 30.48,18.961 29.894,18.375 20.766,18.375 17.78,15.389 P12.6 23.02,10 ; v1(38,21.5) 39.95,19.55 42.5,19.55 ; v1(38.25,11.875) 38.75,11.875 39.75,10.875 ; v1(42.375,23) 43.164,23 43.75,22.414 43.75,19.55 ; v1(49,18.5) 47.95,19.55 43.75,19.55 ; 23.02,10 23.02,3.48 24,2.5 3V3.1 31,4.5 34.875,4.5 39.75,9.375 39.75,10.875 ; 39.75,10.875 42.5,13.625 42.5,19.55 ; 42.5,19.55 43.75,19.55
V_5V: 5V.1 J1.1 J1.3 | length 54.2
  Top Layer w1: J1.1 J1.3
  Bottom Layer w0.5: 9.625,23.375 9.64,23.39 9.64,27.87
  Bottom Layer w1: J1.1 9.64,27.87 J1.3 ; 9.625,23.375 9.625,5.75 14.375,1 32.5,1 5V.1
V_EXT: C8.2 J4.2 P1.2 P2.2 P3.2 P4.2 P5.2 Vext.1 | length 61.2
  Top Layer w0.5: Vext.1 38.4,4.4 38.85,4.4 39.15,4.7 40.857,4.7 41.657,5.5 P1.2
  Top Layer w1: Vext.1 Vext.1@36.554,2.5 ; P1.2 P2.2 P3.2 P4.2 P5.2 56,5.5 58,7.5 J4.2
  Bottom Layer w1: Vext.1 39.5,5.5 P1.2 P2.2 P3.2 P4.2 P5.2 54.815,5.615 56.115,5.615 58,7.5 J4.2
pads on no net: J1.11 J1.15 J1.17 J1.25 J1.27 J1.28 J1.30 J1.31 J1.32 J1.34 J1.35 J1.36 J1.37 J1.38 J1.39 U3.15 U3.16 U3.17 U3.18 U3.19 U3.20 U3.21 U3.22 U4.5 U5.3 U5.4 U5.5 U5.6 U5.7 U5.11 U5.12 U5.15

## Polygon pours and split planes (outlines as drawn)
GND on Top Layer "GND_L01_P002" (solid, remove dead copper, pour order 2): 0,3.7 0,26.7 cw(c3.7,26.7) 3.7,30.4 61.5,30.4 cw(c61.5,26.7) 65.2,26.7 65.2,3.7 cw(c61.5,3.7) 61.5,0 3.7,0 cw(c3.7,3.7)
GND on Bottom Layer "GND_L02_P003" (solid, remove dead copper, pour order 3): 0,3.7 0,26.7 cw(c3.7,26.7) 3.7,30.4 61.5,30.4 cw(c61.5,26.7) 65.2,26.7 65.2,3.7 cw(c61.5,3.7) 61.5,0 3.7,0 cw(c3.7,3.7)

## Silkscreen, mask and mechanical layers (free items; w line width, h text height)
Top Overlay:
  circle w0.254: c61.6,3.7 r3.3
  text "GND" at 56.9,22.322 h2
  text "GND" at 11.397,22.125 h2 r270
  text "io4  TX  RX io27 GND 3V3" at 17,22.14 h1.4
  text "3V3 GND SDA SCL io17 io22" at 15.75,17.015 h1.4
  text "canL" at 11.42,16.6 h2 r270
  text "canH" at 11.42,11.9 h2 r270
  text "PWM" at 56.378,10.271 h1.5 r270
  text "Vext" at 57.711,9.332 h2
  text "Vext" at 56.737,6.693 h1.5 r270
  text "GND" at 56.442,3.565 h1.5 r270
  text ".Revision" at 21.921,2.049 h1.5
  text ".NomDeProjet" at 7.5,2 h1.5
  text ".NomDeLetudiant" at 7.501,0.915 h1.5
  text ".Print_Date" at 18.485,0.78 h1.5
Bottom Overlay:
  text "A1" at 40.627,18.875 h2
  text "A0" at 40.627,14.272 h2
  text ".Revision" at 10.92,2.565 h1.5
  text ".NomDeProjet" at 25.126,2.516 h1.5
  text ".NomDeLetudiant" at 25.125,1.431 h1.5
  text ".Print_Date" at 14.228,1.293 h1.5
Board:
  lines w0.5: 0,3.7 ccw(c3.7,3.7) 3.7,0 ; 0,3.7 ccw(c3.7,3.7) 3.7,0 ; 0,3.7 ccw(c3.7,3.7) 3.7,0 ; 0,3.7 ccw(c3.7,3.7) 3.7,0 ; 0,3.7 0,26.7 ; 0,3.7 0,26.7 ; 0,3.7 0,26.7 ; 0,3.7 0,26.7 ; 0,26.7 cw(c3.7,26.7) 3.7,30.4 ; 0,26.7 cw(c3.7,26.7) 3.7,30.4 ; 0,26.7 cw(c3.7,26.7) 3.7,30.4 ; 0,26.7 cw(c3.7,26.7) 3.7,30.4 ; 3.7,0 61.5,0 ; 3.7,0 61.5,0 ; 3.7,0 61.5,0 ; 3.7,0 61.5,0 ; 3.7,30.4 61.5,30.4 ; 3.7,30.4 61.5,30.4 ; 3.7,30.4 61.5,30.4 ; 3.7,30.4 61.5,30.4 ; 61.5,0 ccw(c61.5,3.7) 65.2,3.7 ; 61.5,0 ccw(c61.5,3.7) 65.2,3.7 ; 61.5,0 ccw(c61.5,3.7) 65.2,3.7 ; 61.5,0 ccw(c61.5,3.7) 65.2,3.7 ; 61.5,30.4 cw(c61.5,26.7) 65.2,26.7 ; 61.5,30.4 cw(c61.5,26.7) 65.2,26.7 ; 61.5,30.4 cw(c61.5,26.7) 65.2,26.7 ; 61.5,30.4 cw(c61.5,26.7) 65.2,26.7 ; 65.2,3.7 65.2,26.7 ; 65.2,3.7 65.2,26.7 ; 65.2,3.7 65.2,26.7 ; 65.2,3.7 65.2,26.7
Top Component Center:
  circle w0.254: c3.6,3.7 r1.5
  circle w0.254: c61.6,3.7 r1.5
  circle w0.254: c61.6,26.7 r1.5
  circle w0.254: c3.6,26.7 r1.5
  lines w0.1: -12.5,23 -0.5,23 2.6,19.9 ; -12,32 -2,32 2.5,27.5 ; 3.8,7.9 3.8,21.9 ; 4,34 15,34 19.75,29.25 ; 6,32 8,32 9.75,30.25 9.75,28.5 ; 8.2,7.9 8.2,21.9 ; 0,3.7 ccw(c3.7,3.7) 3.7,0 61.5,0 ccw(c61.5,3.7) 65.2,3.7 65.2,26.7 ccw(c61.5,26.7) 61.5,30.4 3.7,30.4 ccw(c3.7,26.7) 0,26.7 0,3.7 ; 2.6,7.9 2.6,21.9 9.4,21.9 9.4,7.9 2.6,7.9 ; 6.85,23.1 58.05,23.1 58.05,29.1 6.85,29.1 6.85,23.1 ; 8,27 8,28.5 11.5,28.5 11.5,27 8,27
  text "Connecteur interface Pi4" at -0.3,34.217 h1.5
  text "5V" at 6,32.517 h1.5
  text "Trous de fixation (x4)" at -16.6,32.283 h1.5
  text "Connecteur CAN" at -15.8,23.517 h1.5
  text "GND" at -4.5,19.517 h1.5
  text "CAN L" at -4.5,14.517 h1.5
  text "CAN H" at -4.5,9.517 h1.5
Drill Drawing:
  circle w0.254: c82.567,4.669 r0.69
  lines w0.25: 80.626,-0.054 170.722,-0.054 ; 80.626,18.564 170.722,18.564 ; 81.124,42.55 87.4,42.55 103.409,42.55 112.366,42.55 119.488,42.55 ; 81.124,45.55 87.4,45.55 103.409,45.55 112.366,45.55 119.488,45.55 ; 81.124,48.55 87.4,48.55 103.409,48.55 112.366,48.55 119.488,48.55 ; 81.124,51.55 87.4,51.55 103.409,51.55 112.366,51.55 119.488,51.55 ; 81.124,54.55 87.4,54.55 103.409,54.55 112.366,54.55 119.488,54.55 ; 81.124,57.55 87.4,57.55 103.409,57.55 112.366,57.55 119.488,57.55 ; 81.124,60.55 87.4,60.55 103.409,60.55 112.366,60.55 119.488,60.55 ; 81.124,63.55 87.4,63.55 103.409,63.55 112.366,63.55 119.488,63.55 ; 81.124,66.55 119.488,66.55 ; 87.4,69.55 87.4,39.55 ; 88.598,-3.157 88.598,21.667 ; 95.814,-3.157 95.814,21.667 ; 103.409,69.55 103.409,39.55 ; 110.248,-3.157 110.248,21.667 ; 112.366,69.55 112.366,39.55 ; 116.43,-3.157 116.43,21.667 ; 125.428,-3.157 125.428,21.667 ; 142.49,-3.157 142.49,21.667 ; 149.863,-3.157 149.863,21.667 ; 159.494,-3.157 159.494,21.667 ; 87.4,39.55 103.409,39.55 ; 87.4,39.55 81.124,39.55 81.124,69.55 119.488,69.55 119.488,39.55 112.366,39.55 ; 103.409,39.55 112.366,39.55 ; 80.626,-3.157 170.722,-3.157 170.722,21.667 80.626,21.667 80.626,-3.157
  lines w0.254: 81.877,1.222 82.222,1.222 82.222,0.877 82.912,0.877 82.912,1.222 83.257,1.222 83.257,1.911 82.912,1.911 82.912,2.256 82.222,2.256 82.222,1.911 81.877,1.911 81.877,1.222 ; 81.877,7.428 82.222,7.428 82.567,7.083 82.912,7.428 83.257,7.428 82.912,7.772 83.257,8.117 82.912,8.117 82.567,8.462 82.222,8.117 81.877,8.117 82.222,7.772 81.877,7.428 ; 81.877,10.186 83.257,10.186 83.257,11.565 81.877,11.565 81.877,10.186 ; 81.877,14.668 83.257,14.668 82.567,13.289 81.877,14.668 ; 81.877,16.392 82.567,16.737 83.257,16.392 82.912,17.082 83.257,17.771 82.567,17.426 81.877,17.771 82.222,17.082 81.877,16.392
  text "Layer" at 82.624,67.3 h1.5
  text "Name" at 88.9,67.3 h1.5
  text "Thickness" at 104.909,67.3 h1.5
  text "Gerber" at 113.866,67.3 h1.5
  text "Top Overlay" at 88.9,64.3 h1.5
  text "GTO" at 113.866,64.3 h1.5
  text "Top Solder" at 88.9,61.3 h1.5
  text "0.025mm" at 104.909,61.3 h1.5
  text "GTS" at 113.866,61.3 h1.5
  text "Top Surface Finish" at 88.9,58.3 h1.5
  text "0.020mm" at 104.909,58.3 h1.5
  text "1" at 82.624,55.3 h1.5
  text "Top Layer" at 88.9,55.3 h1.5
  text "0.035mm" at 104.909,55.3 h1.5
  text "GTL" at 113.866,55.3 h1.5
  text "Dielectric 1" at 88.9,52.3 h1.5
  text "1.499mm" at 104.909,52.3 h1.5
  text "2" at 82.623,49.3 h1.5
  text "Bottom Layer" at 88.9,49.3 h1.5
  text "0.035mm" at 104.909,49.3 h1.5
  text "GBL" at 113.866,49.3 h1.5
  text "Bottom Surface Finish" at 88.9,46.3 h1.5
  text "0.020mm" at 104.909,46.3 h1.5
  text "Bottom Solder" at 88.9,43.3 h1.5
  text "0.025mm" at 104.909,43.3 h1.5
  text "GBS" at 113.866,43.3 h1.5
  text "Bottom Overlay" at 88.9,40.3 h1.5
  text "GBO" at 113.866,40.3 h1.5
  text "Total board thickness:" at 82.624,37.3 h1.5
  text "1.659mm" at 104.909,37.3 h1.5
  text "Symbol" at 82.488,19.495 h1.8
  text "Count" at 89.529,19.495 h1.8
  text "Hole Size" at 96.745,19.495 h1.8
  text "Plated" at 111.179,19.495 h1.8
  text "Hole Type" at 117.361,19.495 h1.8
  text "Drill Layer Pair" at 126.359,19.495 h1.8
  text "Via/Pad" at 143.421,19.495 h1.8
  text "Pad Shape" at 150.794,19.495 h1.8
  text "Hole Length" at 160.425,19.495 h1.8
  text "61" at 89.529,16.392 h1.5
  text "0.300mm (11.81mil)" at 96.745,16.392 h1.5
  text "PTH" at 111.179,16.392 h1.5
  text "Round" at 117.361,16.392 h1.5
  text "Top Layer - Bottom Layer" at 126.359,16.392 h1.5
  text "Via" at 143.421,16.392 h1.5
  text "Rounded" at 150.794,16.392 h1.5
  text "-" at 160.425,16.392 h1.5
  text "4" at 89.529,13.289 h1.5
  text "0.600mm (23.62mil)" at 96.745,13.289 h1.5
  text "PTH" at 111.179,13.289 h1.5
  text "Round" at 117.361,13.289 h1.5
  text "Top Layer - Bottom Layer" at 126.359,13.289 h1.5
  text "Pad" at 143.421,13.289 h1.5
  text "Rounded" at 150.794,13.289 h1.5
  text "-" at 160.425,13.289 h1.5
  text "40" at 89.529,10.186 h1.5
  text "0.900mm (35.43mil)" at 96.745,10.186 h1.5
  text "PTH" at 111.179,10.186 h1.5
  text "Round" at 117.361,10.186 h1.5
  text "Top Layer - Bottom Layer" at 126.359,10.186 h1.5
  text "Pad" at 143.421,10.186 h1.5
  text "(Mixed)" at 150.794,10.186 h1.5
  text "-" at 160.425,10.186 h1.5
  text "29" at 89.529,7.083 h1.5
  text "1.000mm (39.37mil)" at 96.745,7.083 h1.5
  text "PTH" at 111.179,7.083 h1.5
  text "Round" at 117.361,7.083 h1.5
  text "Top Layer - Bottom Layer" at 126.359,7.083 h1.5
  text "Pad" at 143.421,7.083 h1.5
  text "(Mixed)" at 150.794,7.083 h1.5
  text "-" at 160.425,7.083 h1.5
  text "5" at 89.529,3.98 h1.5
  text "1.300mm (51.18mil)" at 96.745,3.98 h1.5
  text "PTH" at 111.179,3.98 h1.5
  text "Round" at 117.361,3.98 h1.5
  text "Top Layer - Bottom Layer" at 126.359,3.98 h1.5
  text "Pad" at 143.421,3.98 h1.5
  text "Rounded" at 150.794,3.98 h1.5
  text "-" at 160.425,3.98 h1.5
  text "4" at 89.529,0.877 h1.5
  text "3.100mm (122.05mil)" at 96.745,0.877 h1.5
  text "PTH" at 111.179,0.877 h1.5
  text "Round" at 117.361,0.877 h1.5
  text "Top Layer - Bottom Layer" at 126.359,0.877 h1.5
  text "Pad" at 143.421,0.877 h1.5
  text "Rounded" at 150.794,0.877 h1.5
  text "-" at 160.425,0.877 h1.5
  text "143 Total" at 89.529,-2.226 h1.5

## Dimensions
3.7,0 to 3.7,30.4 on Drill Drawing
0,3.7 to 65.2,3.7 on Drill Drawing